# KiCad board VNA.kicad_pcb (continued)
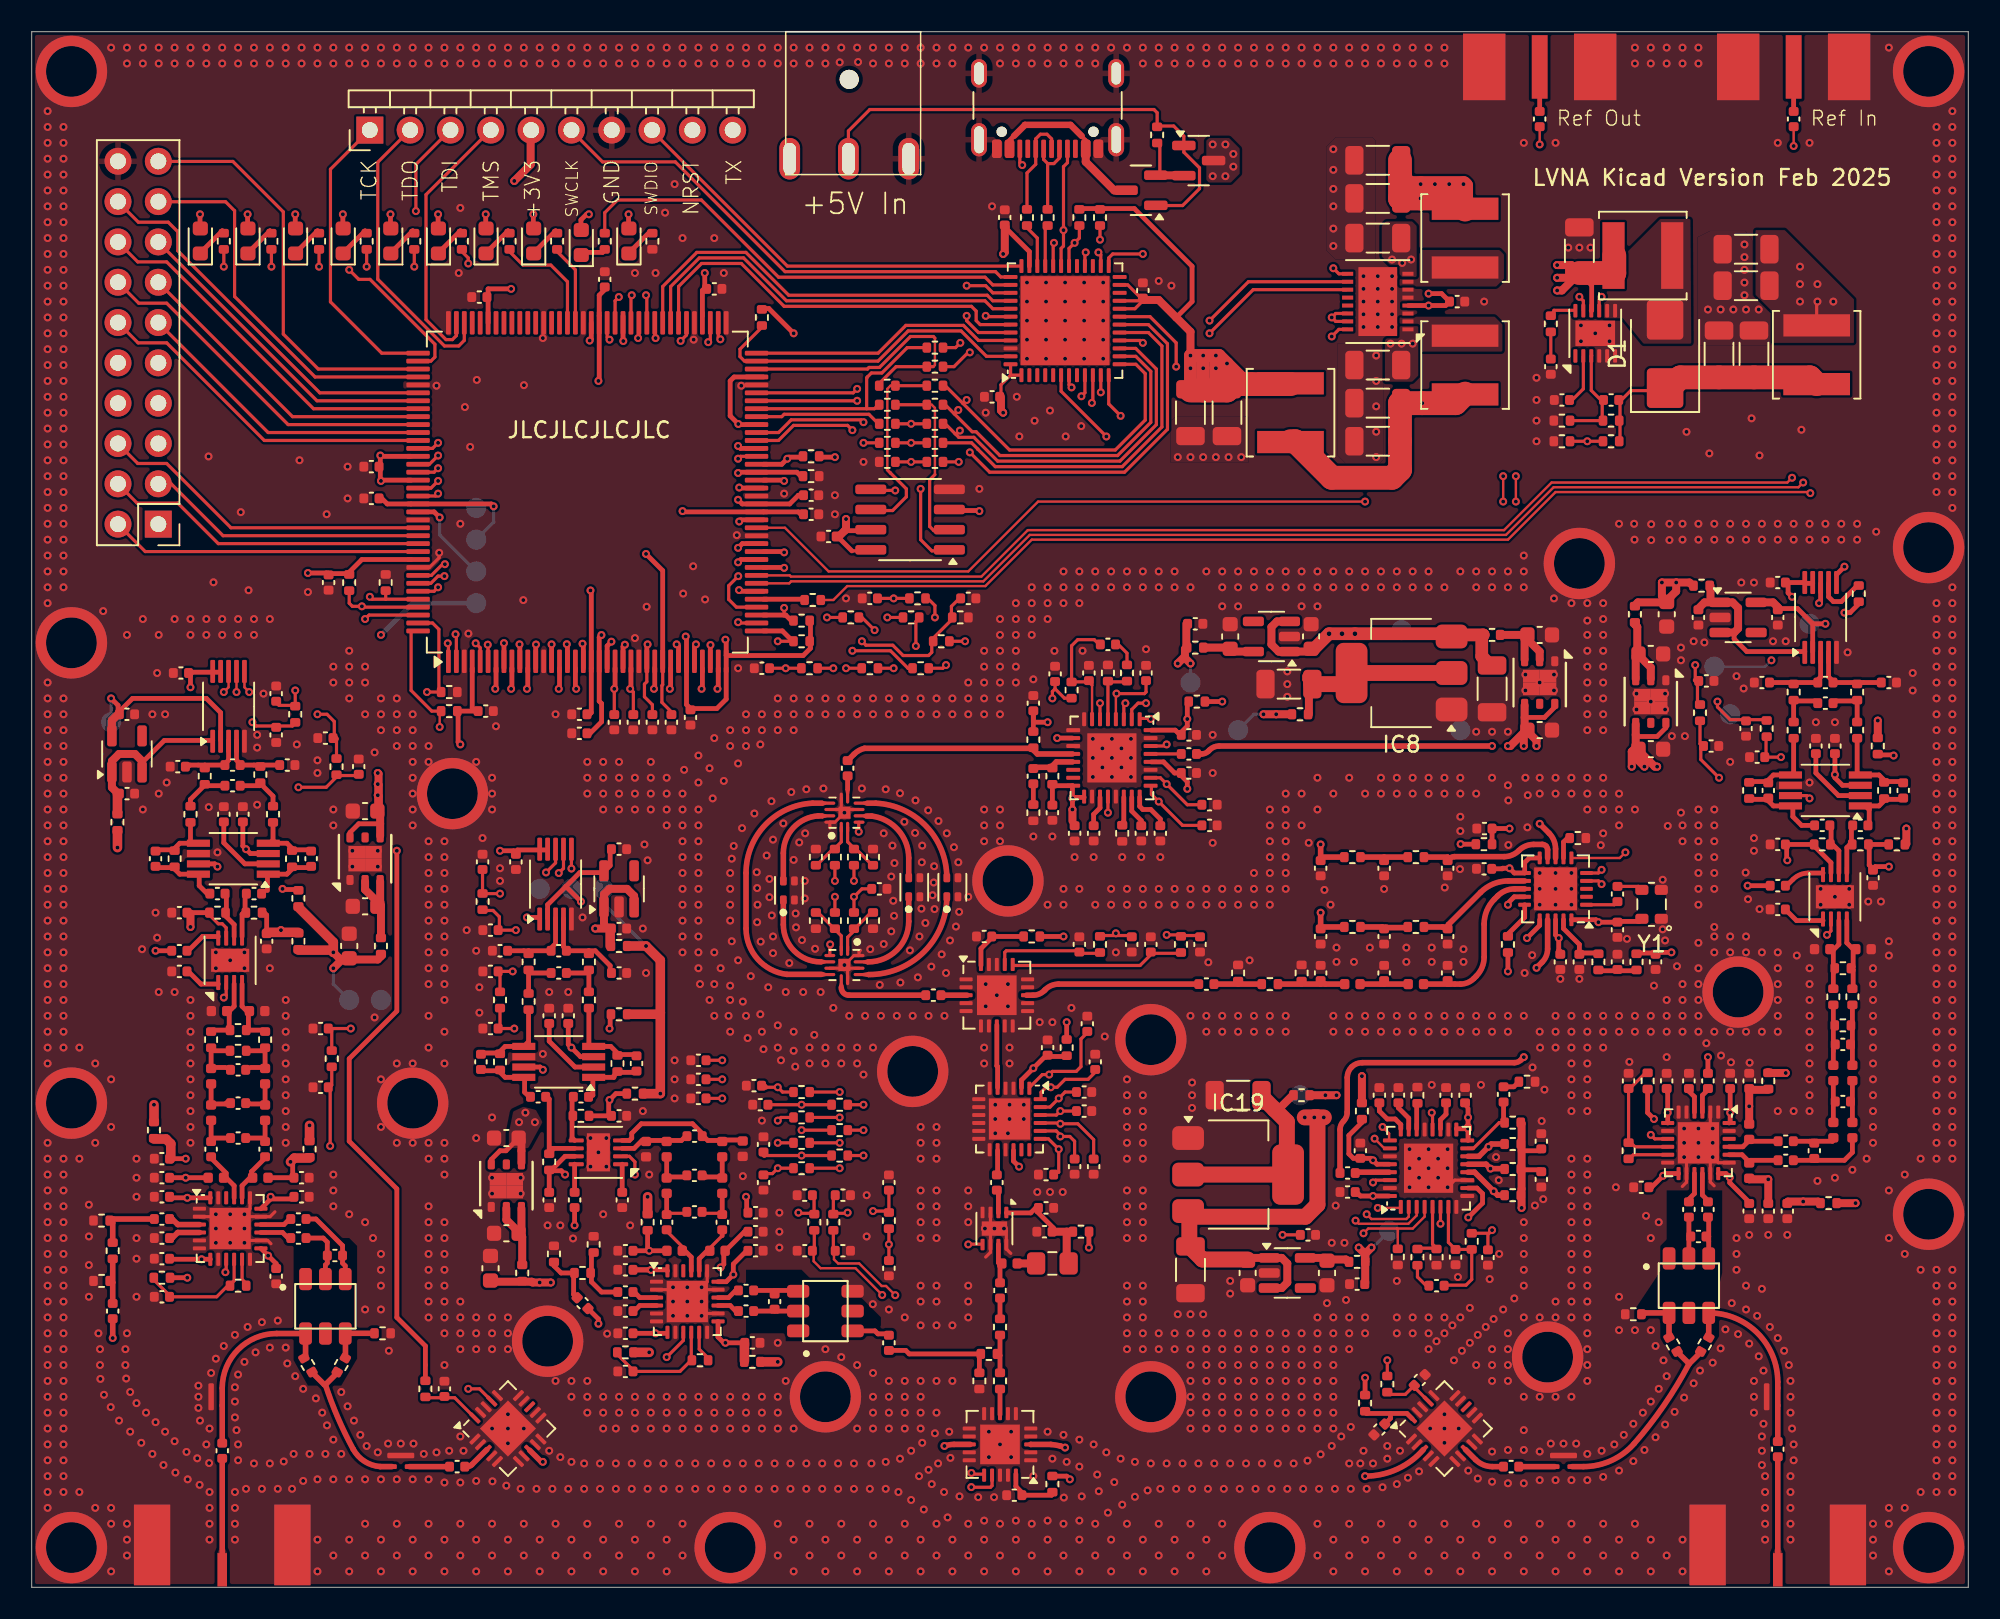
[diagram p0: board, top side]
## Routing (per net, layer and track width the routed paths; a pad name or vN(x,y) marks a point on that pad's centre or on a via; arc(x,y) is an arc through that point) (continued)
  In4.Cu w0.3: v1(72.8,54.7) v1(72.8,50.3)
GND: length 44.5
  Top w0.18: 50.6,48.2 v1(51.2,48.8) ; 51.8,39.8 v1(51.2,39.2)
  Top w0.2: v1(11.6,23.5) 11.45,23.35 IC24.2 ; IC24.19 13.75,23.85 v1(13.4,23.5) 13.55,23.35 IC24.17 15.02,23.35 15.32,23.65 ; IC33.19 42.55,19.25 v1(42.2,18.9) 42.35,18.75 IC33.17 ; v1(60.65,22.6) 60.4,22.85 IC15.3 ; IC21.11 89.65,25.65 v1(89.2,25.2) ; 51.4,39 v1(51.2,39.2) 51,39 IC12.5 ; 51.4,39 IC12.10 ; 51.4,39 IC12.8 ; 61.68,21.03 61.4,21.31 IC15.8 61.4,22.45 v1(61.25,22.6) ; v1(25.67,65.17) 25.67,64.86 25.06,64.25 U2.136 ; 103.99,25.25 104.25,25.51 IC29.14 104.25,26.95 v1(104.1,27.1) ; v1(42.2,17.1) 42.35,17.25 IC33.14 ; IC29.19 106.25,26.75 v1(105.9,27.1) 105.75,26.95 IC29.17 105.75,25.53 105.99,25.29 ; v1(60.05,22.6) 60.4,22.25 IC15.6 60.4,21.1 60.1,20.8 ; 51,49 v1(51.2,48.8) 51.4,49 IC11.5 ; 51,49 51,49.72 ; 51,49 IC11.10 ; 15.07,21.64 14.86,21.85 IC24.14 13.55,21.85 v1(13.4,21.7) ; v1(105.9,28.9) 105.75,29.05 IC29.2 ; v1(40.4,18.9) 40.25,18.75 IC33.2 ; 51.8,39.8 IC12.12 52.12,40.05 52.21,40.13 ; 50.6,48.2 IC11.12 50.28,47.85 50.29,47.84
  In3.Cu w0.2: v1(69,97) 68.32,96.32 J4.S1 ; J1.2 55.25,88.12 55.64,87.73 ; J4.S1 68.32,89.62 68.85,89.09 ; 59.13,89.18 59.68,89.73 J4.S1 ; v1(59,97) 59.68,96.32 J4.S1
  vias: v1(1,93) v1(1,92) v1(1,91) v1(1,90) v1(1,89) v1(1,88) v1(1,87) v1(1,86) v1(1,85) v1(1,84) v1(1,83) v1(1,82) v1(1,81) v1(1,80) v1(1,79) v1(1,78) v1(1,77) v1(1,76) v1(1,75) v1(1,74) v1(1,73) v1(1,72) v1(1,71) v1(1,70) v1(1,69) v1(1,68) v1(1,67) v1(1,66) v1(1,65) v1(1,64) v1(1,63) v1(1,62) v1(1,57) v1(1,56) v1(1,55) v1(1,54) v1(1,53) v1(1,52) v1(1,51) v1(1,50) v1(1,49) v1(1,48) v1(1,47) v1(1,46) v1(1,45) v1(1,44) v1(1,43) v1(1,42) v1(1,41) v1(1,40) v1(1,39) v1(1,38) v1(1,37) v1(1,36) v1(1,35) v1(1,34) v1(1,33) v1(1,28) v1(1,27) v1(1,26) v1(1,25) v1(1,24) v1(1,23) v1(1,22) v1(1,21) v1(1,20) v1(1,19) v1(1,18) v1(1,17) v1(1,16) v1(1,15) v1(1,14) v1(1,13) v1(1,12) v1(1,11) v1(1,10) v1(1,9) v1(1,8) v1(1,7) v1(1,6) v1(1,5) v1(2,92) v1(2,91) v1(2,90) v1(2,89) v1(2,88) v1(2,87) v1(2,86) v1(2,85) v1(2,84) v1(2,83) v1(2,82) v1(2,81) v1(2,80) v1(2,79) v1(2,78) v1(2,77) v1(2,76) v1(2,75) v1(2,74) v1(2,73) v1(2,72) v1(2,71) v1(2,70) v1(2,69) v1(2,68) v1(2,67) v1(2,66) v1(2,65) v1(2,64) v1(2,63) v1(2,56) v1(2,55) v1(2,54) v1(2,53) v1(2,52) v1(2,51) v1(2,50) v1(2,49) v1(2,48) v1(2,47) v1(2,46) v1(2,45) v1(2,44) v1(2,43) v1(2,42) v1(2,41) v1(2,40) v1(2,39) v1(2,38) v1(2,37) v1(2,36) v1(2,35) v1(2,34) v1(2,27) v1(2,26) v1(2,25) v1(2,24) v1(2,23) v1(2,22) v1(2,21) v1(2,20) v1(2,19) v1(2,18) v1(2,17) v1(2,16) v1(2,15) v1(2,14) v1(2,13) v1(2,12) v1(2,11) v1(2,10) v1(2,9) v1(2,8) v1(2,7) v1(2,6) v1(3,34) v1(3,27) v1(3,6) v1(3.6,24.1) v1(3.6,22.1) v1(3.6,20.3) v1(3.6,18.3) v1(4,33) v1(4,28) v1(4,5) v1(4.2,16) v1(4.3,15) v1(4.3,14) v1(4.33,13.12) v1(4.5,61.5) v1(4.55,12.12) v1(5,97) v1(5,32) v1(5,29) v1(4.97,11.35) v1(5,5) v1(5,4) v1(5,1) v1(5.5,10.5) v1(5.9,15) v1(5.9,14) v1(6,97) v1(6,96) v1(6,60) v1(6,16) v1(5.95,13.15) v1(6,4) v1(6,3) v1(6,2) v1(6.2,12.3) v1(6.2,9.8) v1(6.6,27) v1(6.6,25.8) v1(6.6,24.6) v1(6.6,22) v1(6.6,20.7) v1(6.6,18.3) v1(6.6,11.6) v1(6.9,9.1) v1(7,97) v1(7,96) v1(7,61) v1(7,49) v1(6.95,40.2) v1(7.2,11) v1(7.6,55) v1(7.6,8.4) v1(7.8,42.5) v1(7.8,10.4) v1(7.9,57.6) v1(7.9,40.92) v1(8,97) v1(8,96) v1(8,60) v1(8,50) v1(8,37.5) v1(8.3,7.7) v1(8.4,55) v1(8.4,9.8) v1(8.5,50.7) v1(9,97) v1(9,96) v1(9,61) v1(9,37.5) v1(9,9.2) v1(9.05,7.22) v1(9.75,8.52) v1(9.83,6.8) v1(10,97) v1(10,96) v1(10,61) v1(10,60) v1(10,37) v1(10,36) v1(10,35) v1(10,34) v1(10,33) v1(10,32) v1(10,31) v1(10,30) v1(10,29) v1(10,28) v1(10.42,8.12) v1(10.5,12.7) v1(10.5,12) v1(10.5,11.3) v1(10.6,10.5) v1(10.58,6.45) v1(11,97) v1(11,96) v1(11,61) v1(11,60) v1(11,9) v1(11.14,71.24) v1(11.15,49.15) v1(11.2,10) v1(11.17,7.82) v1(11.2,6) v1(11.2,5) v1(11.2,4) v1(11.2,3) v1(11.3,13.5) v1(11.45,63.31) v1(11.6,40) v1(11.6,39) v1(11.6,22.6) v1(11.6,21.7) v1(11.6,14.4) v1(11.7,46.3) v1(12,97) v1(12,96) v1(12,61) v1(12,60) v1(12.1,15.2) v1(12.5,39.5) v1(12.5,23.5) v1(12.5,22.6) v1(12.5,21.7) v1(12.8,15.9) v1(12.8,12.6) v1(12.8,11.7) v1(12.8,10.7) v1(12.8,6) v1(12.8,5) v1(12.8,4) v1(12.8,3) v1(12.9,9.9) v1(13,97) v1(13,96) v1(13,61) v1(13,60) v1(13,13.4) v1(13,9) v1(13,8) v1(13.17,67.73) v1(13.4,40) v1(13.4,39) v1(13.4,22.6) v1(13.4,14.2) v1(13.5,6.2) v1(13.6,16.4) v1(13.66,62.81) v1(14,97) v1(14,96) v1(14,61) v1(14,60) v1(14,7.8) v1(14.1,14.8) v1(14.2,53.7) v1(14.2,52.9) v1(14.2,49.3) v1(14.5,16.7) v1(14.5,6.2) v1(14.6,56.3) v1(15,97) v1(15,96) v1(15,61) v1(15,39) v1(15,15.1) v1(15,7.8) v1(15.5,16.8) v1(15.5,6.2) v1(15.88,7.92) v1(16,97) v1(16,96) v1(16,37) v1(16,36) v1(16,35) v1(16,34) v1(16,33) v1(16,32) v1(16,31) v1(16,30) v1(16,29) v1(16,28) v1(16,15.1) v1(16.1,14.1) v1(16.4,6.2) v1(16.5,8.4) v1(16.6,13.3) v1(16.7,53.1) v1(16.87,71) v1(17,97) v1(17,96) v1(17.1,12.5) v1(17.1,6.7) v1(17.4,62.7) v1(17.5,8.4) v1(17.9,11.9) v1(18,97) v1(18,96) v1(18,52.1) v1(18,51.3) v1(18,6.8) v1(18,3) v1(18,1) v1(18.3,11) v1(18.5,8.4) v1(18.58,67.6) v1(18.6,10.2) v1(19,97) v1(19,96) v1(19,58) v1(19,57) v1(19,49) v1(19,48) v1(19,26) v1(19,25) v1(19,24) v1(19,9.3) v1(19,6.8) v1(19,2) v1(19.5,12.3) v1(19.5,8.4) v1(19.9,70.6) v1(19.9,68.6) v1(19.9,11.4) v1(20,97) v1(20,96) v1(20,59) v1(20,58) v1(20,57) v1(20,56) v1(20,23.5) v1(20,6.8) v1(20,3) v1(20,1) v1(20.2,46.4) v1(20.2,45.4) v1(20.3,10.5) v1(20.7,9.6) v1(21,97) v1(21,96) v1(21,58) v1(21,57) v1(21,55) v1(21,23) v1(21,17.5) v1(21,6.8) v1(21,4) v1(21,2) v1(21.1,8.9) v1(21.5,22) v1(21.6,52.6) v1(21.6,35.9) v1(21.8,46.4) v1(21.8,45.4) v1(21.8,8.5) v1(22,97) v1(22,96) v1(22,56) v1(22,55) v1(22,54) v1(22,32) v1(22,29) v1(22,21) v1(22,20) v1(22,19) v1(22,17.5) v1(22,6.8) v1(22,3) v1(22,1) v1(22.5,14.9) v1(22.45,9.05) v1(23,97) v1(23,96) v1(23,56) v1(23,55) v1(23,54) v1(23,53) v1(23,33) v1(23,28) v1(23,6.8) v1(23,4) v1(23,2) v1(23.25,9.05) v1(24,97) v1(24,96) v1(24,55) v1(24,54) v1(24,53) v1(24,52) v1(24,51) v1(24,50) v1(24,49) v1(24,48) v1(24,33) v1(24,28) v1(24,6.8) v1(24,3) v1(24,1) v1(24.05,9.05) v1(24.7,8.4) v1(25,97) v1(25,96) v1(25,53) v1(25,52) v1(25,47) v1(25,46) v1(25,45) v1(25,44) v1(25,43) v1(25,42) v1(25,41) v1(25,40) v1(25,39) v1(25,38) v1(25,36) v1(25,34) v1(25,28) v1(25,27) v1(25,24) v1(25,23) v1(25,22) v1(25,21) v1(25,20) v1(25,19) v1(25,18) v1(25,17) v1(25,6.8) v1(25,4) v1(25,2) v1(25.5,75.7) v1(25.5,8.5) v1(26,97) v1(26,96) v1(26,47) v1(26,46) v1(26,45) v1(26,44) v1(26,43) v1(26,42) v1(26,41) v1(26,40) v1(26,39) v1(26,38) v1(26,37) v1(26,35) v1(26,33) v1(26,28) v1(26,27) v1(26,26) v1(26,23) v1(26,22) v1(26,21) v1(26,20) v1(26,19) v1(26,18) v1(26,17) v1(26,16) v1(26,14) v1(26,6.6) v1(26,3) v1(26,1) v1(26.3,8.6) v1(26.9,82.8) v1(27,97) v1(27,96) v1(27,86.9) v1(27,67) v1(27,18) v1(27,17) v1(27,16) v1(27,15) v1(27,9.5) v1(27,6.6) v1(27,4) v1(27,2) v1(27.2,8.6) v1(27.29,74.35) v1(27.4,41.4) v1(27.51,60.08) v1(27.62,71.84) v1(28,97) v1(28,96) v1(28.04,76.06) v1(28,52) v1(28,40.1) v1(28,28.3) v1(28,17) v1(28,16) v1(28,15) v1(28,6.7) v1(28,3) v1(28,1) v1(28.2,37.8) v1(28.2,36.2) v1(28.4,47.2) v1(29,97) v1(29,96) v1(29,51) v1(29,50) v1(29,49) v1(29,29.6) v1(29,25.8) v1(29,24.8) v1(29,17) v1(29,16) v1(29,15) v1(29,10) v1(29.03,6.67) v1(29,4) v1(29,2) v1(29.25,54.25) v1(29.5,45.3) v1(29.5,44.5) v1(29.9,6.4) v1(30,97) v1(30,96) v1(30,17) v1(30,16) v1(30,15) v1(30,10.9) v1(30,10) v1(30,9.07) v1(30,3) v1(30,1) v1(30.8,25.8) v1(30.8,24.8) v1(30.8,6.2) v1(31,97) v1(31,96) v1(31.01,75.73) v1(30.97,62.19) v1(31,10) v1(31,4) v1(31,2) v1(31.8,6.2) v1(32,97) v1(32,96) v1(32,3) v1(32,1) v1(32.2,78.7) v1(32.2,33.6) v1(32.5,22.8) v1(32.6,37.5) v1(32.6,8.6) v1(32.8,6.2) v1(33,97) v1(33,96) v1(33,55) v1(33,13) v1(33,4) v1(33,2) v1(33.3,22.8) v1(33.3,8.2) v1(33.8,37.5) v1(33.8,6.2) v1(34,97) v1(34,96) v1(34,13) v1(34,12) v1(34,7.9) v1(34,3) v1(34,1) v1(34.1,21.97) v1(34.7,42.2) v1(34.8,7.8) v1(34.8,6.2) v1(35,97) v1(35,96) v1(35,52) v1(35,51) v1(35,50) v1(35,13) v1(35,12) v1(35,11) v1(35,4) v1(35,2) v1(35.2,28.3) v1(35.2,26.5) v1(35.7,27.4) v1(35.8,7.8) v1(35.8,6.2) v1(36,97) v1(36,96) v1(36,52) v1(36,51) v1(36,50) v1(36,49) v1(36,23.5) v1(36,12) v1(36,11) v1(36,10) v1(36,3) v1(36,1) v1(36.2,28.3) v1(36.2,26.5) v1(36.25,15.97) v1(36.8,10) v1(36.8,7.8) v1(36.8,6.2) v1(37,97) v1(37,96) v1(37,52) v1(37,51) v1(37,50) v1(37,49) v1(37,12) v1(37,11) v1(37,4) v1(37,2) v1(37.7,22.8) v1(37.8,7.8) v1(37.8,6.2) v1(38,97) v1(38,96) v1(38,82.8) v1(38,59.8) v1(38,51) v1(38,50) v1(38,49) v1(38,12) v1(38,11) v1(38,10) v1(38,3) v1(38,1) v1(38.5,41.5) v1(38.5,30) v1(38.6,46.8) v1(38.74,61.77) v1(38.7,38.7) v1(38.8,45.8) v1(38.8,7.8) v1(38.8,6.2) v1(38.9,26) v1(39,97) v1(39,96) v1(39,52) v1(39,51) v1(39,50) v1(39,49) v1(39,12) v1(39,11) v1(39,10) v1(39,4) v1(39,2) v1(39.3,82.8) v1(39.8,7.8) v1(39.8,6.2) v1(39.9,86.6) v1(40,97) v1(40,96) v1(40,51) v1(40,50) v1(40,49) v1(40,48) v1(40,12) v1(40,11) v1(40,10) v1(40,3) v1(40,1) v1(40.4,18) v1(40.4,17.1) v1(40.5,88.4) v1(40.5,33.2) v1(40.5,32) v1(40.5,30.8) v1(40.8,7.8) v1(40.8,6.2) v1(41,97) v1(41,96) v1(41,85) v1(41.04,62.6) v1(41,50) v1(41,49) v1(41,48) v1(41,47) v1(41,46) v1(41,45) v1(41,44) v1(41,43) v1(41,42) v1(41,41) v1(41,40) v1(41,12) v1(41,11) v1(41,10) v1(41,4) v1(41,2) v1(41.1,51.5) v1(41.3,18.9) v1(41.3,18) v1(41.3,17.1) v1(41.7,78.6) v1(41.67,64.32) v1(41.8,7.8) v1(41.8,6.2) v1(42,97) v1(42,96) v1(42,52.4) v1(42,50.7) v1(42,49) v1(42,48) v1(42,47) v1(42,46) v1(42,45) v1(42,44) v1(42,43) v1(42,42) v1(42,41) v1(42,40) v1(42,39) v1(42,12) v1(42,11) v1(42,10) v1(42.1,38) v1(42.2,18) v1(42.42,62.23) v1(42.7,51.6) v1(42.7,37) v1(42.8,7.8) v1(42.8,6.2) v1(42.9,49.7) v1(43,97) v1(43,96) v1(43,85) v1(43,53.5) v1(43,40) v1(43,38) v1(43,36) v1(43,12) v1(43,11) v1(43,10) v1(43.4,39) v1(43.6,82.8) v1(43.6,50.8) v1(43.8,7.8) v1(43.8,6.2) v1(43.9,36) v1(44,97) v1(44,96) v1(44,54) v1(44,53) v1(44,45) v1(44,44) v1(44,43) v1(44,42) v1(44,37.9) v1(44,37) v1(44,35) v1(44,12) v1(44,11) v1(44,10) v1(44.1,45.9) v1(44.1,40.7) v1(44.23,46.7) v1(44.42,66.28) v1(44.5,57.9) v1(44.5,51.9) v1(44.5,39.5) v1(44.7,75.7) v1(44.75,47.82) v1(44.8,36.9) v1(44.8,25.9) v1(44.8,7.8) v1(44.8,6.2) v1(45,97) v1(45,96) v1(45,55) v1(45,54) v1(45,53) v1(45,36) v1(45,12) v1(45,11) v1(45,10) v1(45.1,34.6) v1(45.3,38.5) v1(45.52,48.75) v1(45.67,45.05) v1(45.7,44.05) v1(45.73,43) v1(45.7,41.9) v1(45.8,7.8) v1(45.8,6.2) v1(45.9,53.1) v1(45.92,40.67) v1(45.9,36.1) v1(46,97) v1(46,96) v1(46,55) v1(46,54) v1(46,35) v1(46,29.4) v1(46,12) v1(46,11) v1(46,10) v1(46.1,33.9) v1(46.3,46.1) v1(46.4,37.8) v1(46.48,44.62) v1(46.48,43.47) v1(46.6,49.52) v1(46.63,42.32) v1(46.7,47.1) v1(46.7,41) v1(46.7,39.95) v1(46.8,7.8) v1(46.8,6.2) v1(47,97) v1(47,96) v1(47,56) v1(47,55) v1(47,54) v1(47,35.4) v1(47,34) v1(47,15.4) v1(47,12) v1(47,11) v1(47,10) v1(47,4) v1(47,2) v1(47.1,23.6) v1(47.1,22.4) v1(47.1,21.4) v1(47.2,33.2) v1(47.4,68.9) v1(47.35,48.12) v1(47.5,37.5) v1(47.5,13) v1(47.73,39.32) v1(47.8,7.8) v1(47.8,6.2) v1(47.85,50.1) v1(48,97) v1(48,96) v1(48,56) v1(48,55) v1(48,54) v1(48,45.82) v1(48,35) v1(48,33.8) v1(48,10) v1(48,3) v1(48,1) v1(48.13,42.45) v1(48.1,32.8) v1(48.15,41.57) v1(48.35,46.92) v1(48.52,40.77) v1(48.6,37.5) v1(48.73,47.5) v1(48.7,44.5) v1(48.7,43.4) v1(48.8,50.27) v1(48.8,7.8) v1(48.8,6.2) v1(49,97) v1(49,96) v1(49,56) v1(49,55) v1(49,34) v1(49,33) v1(49,4) v1(49,2) v1(49.3,34.8) v1(49.35,40.22) v1(49.7,37.5) v1(49.8,7.8) v1(49.8,6.2) v1(49.88,50.32) v1(50,97) v1(50,96) v1(50,56) v1(50,55) v1(50,34) v1(50,33) v1(50,15) v1(50,3) v1(50,1) v1(50.5,36.5) v1(50.6,68.8) v1(50.6,67.6) v1(50.8,7.8) v1(50.8,6.2) v1(50.9,96.07) v1(51,97) v1(51,56) v1(51,55) v1(51,34) v1(51,33) v1(51,14.5) v1(51,4) v1(51,2) v1(51.3,62.3) v1(51.5,36) v1(51.8,7.8) v1(51.8,6.2) v1(52,97) v1(52,56) v1(52,55) v1(52,34) v1(52,33) v1(52,14) v1(52,10) v1(52,3) v1(52,1) v1(52.06,96.09) v1(52.3,50.32) v1(52.4,70.9) v1(52.4,32.3) v1(52.5,36) v1(52.6,24.7) v1(52.6,22.1) v1(52.83,40.2) v1(52.8,6.2) v1(52.9,7.8) v1(53,97) v1(53,96) v1(53,56) v1(53,55) v1(53,34) v1(52.99,17.83) v1(53,13.5) v1(53,12) v1(53,11) v1(53,10) v1(53,4) v1(53,2) v1(53.42,37.95) v1(53.5,36) v1(53.67,47.5) v1(53.67,40.52) v1(53.8,50.27) v1(53.8,7.9) v1(53.8,6.2) v1(54,97) v1(54,96) v1(54,56) v1(54,55) v1(54,17.5) v1(54,13) v1(54,12) v1(54,11) v1(54,10) v1(54,3) v1(54,1) v1(54.23,46.72) v1(54.15,44.77) v1(54.15,41.32) v1(54.27,43.25) v1(54.33,42.3) v1(54.35,45.62) v1(54.5,36) v1(54.6,6) v1(54.7,50.02) v1(54.73,38.1) v1(54.7,8.1) v1(55,97) v1(55,96) v1(55,56) v1(55,55) v1(54.98,48.22) v1(55,17) v1(55,13) v1(55,12) v1(55,11) v1(55,10) v1(55,4) v1(55,2) v1(55.33,40.12) v1(55.4,8.6) v1(55.4,5.5) v1(55.5,36) v1(55.67,49.57) v1(55.65,47.52) v1(55.83,38.42) v1(55.92,41) v1(55.9,7) v1(56,97) v1(56,96) v1(56,56) v1(56,55) v1(56,29) v1(56,28) v1(56,27) v1(56,25) v1(56,24) v1(56,23) v1(56,22) v1(56,19) v1(56,18) v1(56,16.5) v1(56,13) v1(56,12) v1(56,11) v1(56,10) v1(56,3) v1(56,1) v1(56.1,46.72) v1(56.08,45.67) v1(56.05,42.75) v1(56.1,9.1) v1(56.2,4.9) v1(56.3,41.85) v1(56.48,48.95) v1(56.5,36) v1(56.5,7.4) v1(56.67,39.1) v1(56.7,6.5) v1(56.83,44.4) v1(56.75,43.6) v1(56.85,45.42) v1(56.88,42.72) v1(56.9,9.7) v1(57,97) v1(57,96) v1(57,56) v1(57,55) v1(57,29) v1(57,28) v1(57,27) v1(57,25) v1(57,24) v1(57,23) v1(57,22) v1(57,19) v1(57,18) v1(57,16.5) v1(57,13) v1(57,11) v1(57,4) v1(57,2) v1(57.13,48.27) v1(57.1,7.8) v1(57.33,39.87) v1(57.5,36) v1(57.48,6) v1(57.6,38.7) v1(57.65,47.5) v1(57.7,4.4) v1(57.8,9.8) v1(57.85,40.75) v1(57.88,8.15) v1(58,97) v1(58,96) v1(58,56) v1(58,55) v1(58,16.5) v1(58,13) v1(58,3) v1(58,1) v1(58.1,46.62) v1(58.23,41.62) v1(58.38,45.67) v1(58.42,42.55) v1(58.45,5.72) v1(59,57) v1(59,56) v1(59,55) v1(59,43.5) v1(59,25) v1(59,24) v1(59,23) v1(59,19) v1(59,18) v1(59,17) v1(59,4) v1(59,2) v1(59.63,5.67) v1(59.7,69.2) v1(60,97) v1(60,59) v1(60,58) v1(60,57) v1(60,56) v1(60,55) v1(60,49) v1(60,48) v1(60,47) v1(60,34) v1(60,33) v1(60,4.2) v1(60,3) v1(60,1) v1(60.1,74) v1(60.1,38) v1(60.1,36.6) v1(60.3,9.8) v1(60.3,8.2) v1(60.5,87) v1(60.63,5.67) v1(60.7,30.4) v1(60.7,29.5) v1(60.7,28.6) v1(60.8,37.3) v1(61,97) v1(61,96) v1(61,61) v1(61,60) v1(61,59) v1(61,58) v1(61,57) v1(61,56) v1(61,55) v1(61,49) v1(61,48) v1(61,47) v1(61,9) v1(61,4) v1(61,2) v1(61.5,38) v1(61.5,36.6) v1(61.5,28.6) v1(61.6,34) v1(61.6,33) v1(61.6,30.4) v1(61.6,29.5) v1(61.7,9.8) v1(61.7,8.2) v1(62,97) v1(62,96) v1(62,62) v1(62,61) v1(62,60) v1(62,59) v1(62,58) v1(62,57) v1(62,4.2) v1(62,3) v1(62,1) v1(62.06,75) v1(62.22,72.5) v1(62.5,30.4) v1(62.5,29.5) v1(62.7,82.2) v1(62.7,81) v1(62.7,79.8) v1(62.7,78.6) v1(62.7,77.4) v1(63,97) v1(63,96) v1(63,63) v1(63,62) v1(63,61) v1(63,60) v1(63,4) v1(63,2) v1(63.1,57.2) v1(63.1,47.3) v1(63.1,7) v1(63.18,73.49) v1(63.35,24.9) v1(63.5,35.6) v1(63.9,82.2) v1(63.9,81) v1(63.9,79.8) v1(63.9,78.6) v1(63.9,77.4) v1(64,97) v1(64,96) v1(64,63) v1(64,62) v1(64,61) v1(64,43) v1(64,9.8) v1(64,4.2) v1(64,3) v1(64,1) v1(64.15,74.13) v1(64.15,24.9) v1(64.3,47.3) v1(64.3,35.6) v1(64.3,8.1) v1(64.43,58.99) v1(65,97) v1(65,96) v1(65,64) v1(65,63) v1(65,62) v1(65,44) v1(65,43) v1(64.95,24.9) v1(65,9.6) v1(65.02,5.65) v1(65,4) v1(65,2) v1(65.1,82.2) v1(65.1,81) v1(65.1,79.8) v1(65.1,78.6) v1(65.1,77.4) v1(65.14,72.5) v1(65.2,7.9) v1(65.5,36.5) v1(65.7,46) v1(66,97) v1(66,96) v1(66,64) v1(66,63) v1(66,62) v1(66,44) v1(66,9.3) v1(66,7.6) v1(66,4.2) v1(66,3) v1(66,1) v1(66.12,73.15) v1(66.2,59) v1(66.15,5.72) v1(66.3,82.2) v1(66.3,81) v1(66.3,79.8) v1(66.3,78.6) v1(66.3,77.4) v1(66.85,53.45) v1(66.85,52.25) v1(66.85,51.05) v1(66.9,46) v1(66.9,9) v1(67,97) v1(67,96) v1(67,64) v1(67,63) v1(67,43) v1(67,4) v1(67,2) v1(67.13,7.1) v1(67.23,6.05) v1(67.5,82.2) v1(67.5,81) v1(67.5,79.8) v1(67.5,78.6) v1(67.5,77.4) v1(67.45,52.85) v1(67.45,51.65) v1(67.6,34.7) v1(67.7,8.5) v1(67.8,4.7) v1(68,97) v1(68,64) v1(68,63) v1(68,44) v1(68,43) v1(68,3) v1(68,1) v1(68.05,53.45) v1(68.05,52.25) v1(68.05,51.05) v1(68.2,6.62) v1(68.3,40) v1(68.6,8.1) v1(68.65,52.85) v1(68.65,51.65) v1(68.7,46) v1(68.7,5.2) v1(69,64) v1(69,63) v1(69,44) v1(69,43) v1(69,32) v1(69,31) v1(69,30) v1(69,29) v1(69,28) v1(69,27) v1(69,25) v1(69,24) v1(69,23) v1(69,22) v1(69,19) v1(69,18) v1(69,17) v1(69,16) v1(69,15) v1(69,4) v1(69,2) v1(69.25,53.45) v1(69.25,52.25) v1(69.25,51.05) v1(69.5,7.9) v1(69.5,5.7) v1(69.9,46) v1(70,97) v1(70,96) v1(70,64) v1(70,63) v1(70,44) v1(70,43) v1(70,31) v1(70,30) v1(70,29) v1(70,28) v1(70,27) v1(70,25) v1(70,24) v1(70,23) v1(70,22) v1(70,19) v1(70,18) v1(70,17) v1(70,16) v1(70,15) v1(70,3) v1(70,1) v1(70.2,59.1) v1(70.3,6.1) v1(70.5,7.8) v1(71,97) v1(71,96) v1(71,82.3) v1(71,64) v1(71,63) v1(71,44) v1(71,43) v1(71,16) v1(71,15) v1(71,4) v1(71,2) v1(71.1,46) v1(71.1,6.2) v1(71.5,7.8) v1(71.8,82) v1(72,97) v1(72,96) v1(72,64) v1(72,63) v1(72,44) v1(72,43) v1(72,16) v1(72,15) v1(72,3) v1(72,1) v1(72.1,6.2) v1(72.2,71.2) v1(72.2,17.2) v1(72.5,7.8) v1(73,97) v1(73,96) v1(73,71.2) v1(73,63) v1(73,44) v1(73,43) v1(73,36) v1(73,17.2) v1(73,16) v1(73,15) v1(73,14) v1(73,13) v1(73,12) v1(73,11) v1(73,10) v1(73,4) v1(73,2) v1(73.1,31.8) v1(73.1,31) v1(73.1,30.2) v1(73.1,6.2) v1(73.5,7.8) v1(73.8,71.2) v1(73.8,17.2) v1(74,97) v1(74,96) v1(74,64) v1(74,44) v1(74,43) v1(74,36) v1(74,35) v1(74,16) v1(74,15) v1(74,14) v1(74,13) v1(74,12) v1(74,11) v1(74,10) v1(74,3) v1(74,1) v1(74.13,39.37) v1(74.1,6.2) v1(74.4,53.7) v1(74.4,51.3) v1(74.4,46.9) v1(74.5,7.8) v1(74.6,71.2) v1(75,97) v1(75,96) v1(75,64) v1(75,63) v1(75,61.8) v1(75,44) v1(75,43) v1(75,36) v1(75,35) v1(75,16) v1(75,15) v1(75,14) v1(75,13) v1(75,12) v1(75,11) v1(75,10) v1(75,4) v1(75,2) v1(75.1,6.2) v1(75.4,71.2) v1(75.5,19.3) v1(75.5,18.5) v1(75.5,7.8) v1(76,97) v1(76,96) v1(76,64) v1(76,63) v1(76,61.8) v1(76,44) v1(76,43) v1(76,36) v1(76,35) v1(76,16) v1(76,15) v1(76,14) v1(76,13) v1(76,12) v1(76,11) v1(76,10) v1(76.1,6.2) v1(76.2,71.2) v1(76.5,7.8) v1(76.73,39.5) v1(77,97) v1(77,96) v1(77,64) v1(77,63) v1(77,45) v1(77,44) v1(77,43) v1(77,36) v1(77,35) v1(77,16) v1(77,15) v1(77,14) v1(77,13) v1(77,12) v1(77,11) v1(77,10) v1(77.1,6.2) v1(77.5,7.8) v1(78,97) v1(78,96) v1(78,64) v1(78,63) v1(78,49) v1(78,48) v1(78,47) v1(78,46) v1(78,45) v1(78,44) v1(78,43) v1(78,36) v1(78,35) v1(78,16) v1(78,15) v1(78,14) v1(78,13) v1(78,12) v1(78,11) v1(78,10) v1(78.1,6.2) v1(78.5,7.8) v1(79,97) v1(79,96) v1(79,64) v1(79,63) v1(79,50) v1(79,49) v1(79,48) v1(79,47) v1(79,46) v1(79,45) v1(79,44) v1(79,36) v1(79,35) v1(79,16) v1(79,15) v1(79,14) v1(79,13) v1(79,12) v1(79,11) v1(79,10) v1(79.1,57.7) v1(79.1,56.9) v1(79.1,56.1) v1(79.1,6.2) v1(79.5,7.8) v1(80,97) v1(80,96) v1(80,64) v1(80,63) v1(80,61.8) v1(80,50) v1(80,48) v1(80,16) v1(80,15) v1(80,14) v1(80,13) v1(80,12) v1(80,11) v1(80,10) v1(80.1,6.2) v1(80.38,7.97) v1(80.45,46.9) v1(81,97) v1(81,96) v1(81,64) v1(81,63) v1(81,61.8) v1(81,51) v1(81,49) v1(81,17) v1(81,16) v1(81,15) v1(81,14) v1(81,13) v1(81,12) v1(81,11) v1(81,10) v1(81,4) v1(81,2) v1(81.1,6.2) v1(81.2,8.38) v1(81.44,43.93) v1(81.6,17.9) v1(81.83,43) v1(81.9,21.7) v1(81.9,8.9) v1(82,97) v1(82,96) v1(82,90.6) v1(82,89.3) v1(82,88.1) v1(82,87) v1(82,85.6) v1(82,84.5) v1(82,64) v1(82,63) v1(82,50) v1(82,36) v1(82,35) v1(82,17) v1(82,16) v1(82,15) v1(82,14) v1(82,13) v1(82,12) v1(82,11) v1(82,10) v1(82,3) v1(82,1) v1(82.1,6.2) v1(82.2,40.3) v1(82.2,39.4) v1(82.15,24.04) v1(82.5,9.5) v1(82.7,21.7) v1(82.8,18.1) v1(83,97) v1(83,96) v1(83,64) v1(83,63) v1(83,51) v1(83,36) v1(83,35) v1(83,17) v1(83,16) v1(83,15) v1(83,7.8) v1(83,4) v1(83,2) v1(83.1,10.1) v1(83.1,6.2) v1(83.3,39.4) v1(83.7,7.8) v1(83.9,82.6) v1(83.9,81.8) v1(83.9,81) v1(83.9,80.2) v1(83.9,79.4) v1(83.9,8.6) v1(84,97) v1(84,96) v1(84,64) v1(84,63) v1(84,50) v1(84,36) v1(84,35) v1(84,17) v1(84,16) v1(84,3) v1(84,1) v1(84.1,6.2) v1(84.3,40.3) v1(84.5,7.8) v1(84.7,77.6) v1(84.7,76) v1(84.7,74.4) v1(84.7,72.8) v1(84.7,71.2) v1(84.8,82.6) v1(84.8,81.8) v1(84.8,81) v1(84.8,80.2) v1(84.8,79.4) v1(85,97) v1(85,96) v1(85,64) v1(85,63) v1(85,51) v1(85,50) v1(85,36) v1(85,35) v1(85,4) v1(85,2) v1(85.1,6.3) v1(85.2,43.99) v1(85.4,8.9) v1(85.4,8.1) v1(85.7,82.6) v1(85.7,81.8) v1(85.7,81) v1(85.7,80.2) v1(85.7,79.4) v1(86,97) v1(86,96) v1(86,64) v1(86,63) v1(86,51) v1(86,50) v1(86,36) v1(86,35) v1(86,19.3) v1(86,17) v1(86,16) v1(86,6.5) v1(86,3) v1(86,1) v1(86.2,8.6) v1(86.6,40.3) v1(86.6,39.4) v1(86.7,6.9) v1(86.8,27.6) v1(86.8,26.4) v1(86.8,25.2) v1(87,97) v1(87,96) v1(87,64) v1(87,63) v1(87,51) v1(87,50) v1(87,36) v1(87,35) v1(87,17) v1(87,16) v1(87,4) v1(87,2) v1(87.4,27) v1(87.4,25.8) v1(87.4,7.3) v1(88,97) v1(88,96) v1(88,64) v1(88,63) v1(88,51) v1(88,50) v1(88,36) v1(88,35) v1(88,27.6) v1(88,26.4) v1(88,25.2) v1(88,17) v1(88,16) v1(88,15) v1(88,3) v1(88,1) v1(88.1,10) v1(88.2,40.3) v1(88.2,39.4) v1(88.2,31.65) v1(88.5,15.5) v1(88.6,27) v1(88.6,25.8) v1(89,97) v1(89,96) v1(89,63) v1(89,51) v1(89,50) v1(89.02,44.08) v1(89,36) v1(89,35) v1(89,17) v1(89,16) v1(89,10.9) v1(89,10) v1(89,9.1) v1(89,4) v1(89,2) v1(89.2,27.6) v1(89.2,26.4) v1(89.5,16.5) v1(89.6,14.3) v1(89.85,19.54) v1(89.9,10) v1(90,64) v1(90,51) v1(90,50) v1(90,48.54) v1(90,47.64) v1(89.98,45.24) v1(90,36) v1(90,35) v1(90,17) v1(90,3) v1(90,1) v1(90.1,14.9) v1(90.2,40.2) v1(90.2,39.4) v1(90.5,7.35) v1(90.6,17.6) v1(90.6,15.4) v1(91,64) v1(91,63) v1(91,53.9) v1(91,50) v1(91,36) v1(91,35) v1(91,14) v1(91,4) v1(91,2) v1(91.1,15.9) v1(91.1,6.85) v1(91.3,31.65) v1(91.5,81) v1(91.6,16.4) v1(91.85,19.41) v1(92,64) v1(92,63) v1(92,53.9) v1(92,51) v1(92,36) v1(92,35) v1(92,15) v1(92,14) v1(92,13) v1(92,8.55) v1(92,6.65) v1(92,3) v1(92,1) v1(92.1,16.9) v1(92.25,27.1) v1(92.42,25.65) v1(92.45,21) v1(92.7,17.5) v1(93,64) v1(93,63) v1(93,53.9) v1(93,50.52) v1(93.02,49.57) v1(93.03,46.76) v1(93,36) v1(93,35) v1(93,16) v1(93,15) v1(93,14) v1(93,13) v1(93,8.65) v1(93,6.55) v1(93,4) v1(93,2) v1(93.4,18.2) v1(94,91) v1(94,65) v1(94,64) v1(94,63) v1(94,36) v1(94,23) v1(94,22) v1(94,21) v1(94,20) v1(94,19) v1(94,17) v1(94,12) v1(94,9.9) v1(94,8.65) v1(94,6.55) v1(94,3) v1(94,1) v1(94.1,57.5) v1(94.1,56.5) v1(94.1,51) v1(94.05,38.7) v1(94.23,47.87) v1(94.25,49.9) v1(94.52,39.82) v1(94.55,32.75) v1(94.7,24.05) v1(94.8,76.2) v1(94.8,74.8) v1(94.8,73.5) v1(94.8,72.2) v1(95,57) v1(95,51) v1(95,50) v1(95,45) v1(95,44) v1(95,43) v1(95,35) v1(95.02,34) v1(95,17) v1(95,12) v1(95,8.55) v1(95,6.75) v1(95,4) v1(95,2) v1(95.13,29.37) v1(95.23,24.45) v1(95.3,31.35) v1(95.7,9.05) v1(95.9,62.3) v1(95.9,57.5) v1(95.9,56.5) v1(96,91) v1(96,51) v1(96,50) v1(96,45) v1(96,44) v1(96,43) v1(96,36) v1(96,35) v1(96,34) v1(96,18) v1(96,17) v1(96,12) v1(96,6.75) v1(96,3) v1(96,1) v1(96.3,38.32) v1(96.5,9.05) v1(96.8,84.4) v1(97,62) v1(97,51) v1(97,50) v1(97,45) v1(97,44) v1(97,43) v1(97,36) v1(97,35) v1(97,34) v1(97,33) v1(97,32) v1(97,31) v1(97,30) v1(97,27) v1(97,26) v1(97,25) v1(97,24) v1(97,23) v1(97,22) v1(97,21) v1(97,20) v1(97,19) v1(97,18) v1(97,17) v1(97,12) v1(97,6.75) v1(97,4) v1(97,2) v1(97.3,9.05) v1(97.5,84.4) v1(97.5,38.32) v1(97.6,79.5) v1(97.6,78.5) v1(98,62) v1(98,60.9) v1(98,60) v1(98,59) v1(98,58) v1(98,57) v1(98,56) v1(98,55) v1(98,54) v1(98,51) v1(98,50) v1(98,49) v1(98,36) v1(98,35) v1(98,34) v1(98,33) v1(98,32) v1(98,31) v1(98,30) v1(98,27) v1(98,26) v1(98,25) v1(98,24) v1(98,23) v1(98,22) v1(98,21) v1(98,20) v1(98,19) v1(98,18) v1(98,17) v1(98,16) v1(98,15) v1(98,14) v1(98,13) v1(98,8.4) v1(98,6.75) v1(98,3) v1(98,1) v1(98.2,84.4) v1(98.5,79) v1(98.85,46.75) v1(98.9,8.6) v1(99,62) v1(99,61) v1(99,60) v1(99,59) v1(99,58) v1(99,57) v1(99,56) v1(99,55) v1(99,54) v1(99,51) v1(99,50) v1(99,49) v1(99,47.5) v1(99,36) v1(99,35) v1(99,34) v1(99,6.95) v1(99,4) v1(99,2) v1(99.4,79.5) v1(99.4,78.5) v1(99.7,9) v1(99.8,25.2) v1(100,67) v1(100,50) v1(100,49) v1(100,48) v1(100,36) v1(100,35) v1(100,18.3) v1(100,16.2) v1(100,7.35) v1(100,3) v1(100,1) v1(100.3,9.6) v1(100.5,40.85) v1(100.65,33.1) v1(100.9,10.3) v1(100.9,7.95) v1(101,97) v1(101,96) v1(100.95,67) v1(100.98,66) v1(101,49) v1(101,36) v1(101,35) v1(101,16.2) v1(101,4) v1(101,2) v1(101.1,56.3) v1(101.1,55.3) v1(101.5,11) v1(101.6,8.65) v1(101.7,23.4) v1(102,97) v1(102,96) v1(102.02,66.97) v1(102.02,65.97) v1(102,55.8) v1(102,36) v1(102,35) v1(102,22) v1(102,16.2) v1(102,11.7) v1(102,3) v1(102,1) v1(102.2,37.9) v1(102.3,15.2) v1(102.3,9.45) v1(102.5,23) v1(102.5,12.5) v1(102.75,44.57) v1(102.75,41.45) v1(102.8,14.3) v1(102.9,56.3) v1(102.9,55.3) v1(102.9,40.75) v1(102.9,10.25) v1(103,97) v1(103,96) v1(103,37) v1(103,36) v1(103,35) v1(103,33.4) v1(103,13.3) v1(103,2) v1(103.07,47.96) v1(103.17,67) v1(103.17,65.97) v1(103.33,53.62) v1(103.5,11.05) v1(103.65,39.12) v1(103.9,59.2) v1(103.9,58.4) v1(103.9,48.8) v1(104,97) v1(104,96) v1(104,67) v1(104,66) v1(104,48) v1(104,47) v1(104,38) v1(104,37) v1(104,36) v1(104,35) v1(104,3) v1(104,1) v1(104.1,28.9) v1(104.1,28) v1(104.1,11.95) v1(104.15,53.62) v1(104.25,72.79) v1(104.7,59.6) v1(104.7,12.85) v1(105,97) v1(105,96) v1(105,67) v1(105,66) v1(105,49) v1(105,48) v1(105,47) v1(105,46) v1(105,45) v1(105,44) v1(105,43) v1(105,40.6) v1(105,39) v1(105,38) v1(105,37) v1(105,36) v1(105,35) v1(105,28.9) v1(105,28) v1(105,27.1) v1(105.1,13.65) v1(105.38,59.52) v1(105.5,34.27) v1(105.6,80.5) v1(105.69,71.43) v1(105.9,28) v1(105.9,14.15) v1(106,67) v1(106,66) v1(106,49) v1(106,48) v1(106,47) v1(106,46) v1(106,45) v1(106,44) v1(106,41.6) v1(106,41) v1(106,40) v1(106,35) v1(106.4,80.5) v1(106.42,33.5) v1(106.4,15.05) v1(106.7,16.25) v1(107,67) v1(107,66) v1(107,52) v1(107,41) v1(107,40) v1(107,35) v1(107.05,33.07) v1(107.1,17.9) v1(107.2,80.5) v1(107.4,57.4) v1(107.4,22) v1(107.4,21) v1(107.4,20) v1(107.5,15.95) v1(107.7,63.3) v1(107.9,84.6) v1(107.9,83.8) v1(107.9,83) v1(107.9,82.2) v1(107.9,81.4) v1(107.85,56.62) v1(108,80.5) v1(108,67) v1(108,66) v1(107.98,45.02) v1(108,41) v1(108,40) v1(108,35) v1(108,19) v1(108,17.5) v1(108.13,43.35) v1(108.23,33.05) v1(108.2,22.2) v1(108.2,15.35) v1(108.35,73.64) v1(108.5,63.3) v1(108.5,47.2) v1(108.5,46.4) v1(108.5,13) v1(108.5,12) v1(108.5,11) v1(108.7,17.1) v1(108.8,80.5) v1(108.85,71.3) v1(108.8,14.55) v1(108.85,42.72) v1(109,67) v1(109,66) v1(109,40) v1(109,35) v1(109,18.8) v1(109,9.5) v1(109,8.6) v1(109,7.7) v1(109.1,13.65) v1(109.1,10.3) v1(109.2,7) v1(109.2,6) v1(109.2,5) v1(109.2,4) v1(109.2,3) v1(109.4,22.2) v1(109.5,16.4) v1(109.7,59.6) v1(110,91) v1(110,67) v1(110,66) v1(110,40) v1(110,39) v1(110,38) v1(110,37) v1(110,36) v1(110,35) v1(110,30) v1(110,15.7) v1(110.4,14.9) v1(110.5,59.6) v1(110.6,22.2) v1(110.7,14) v1(110.8,13) v1(110.8,12) v1(110.8,11) v1(110.8,7) v1(110.8,6) v1(110.8,5) v1(110.8,4) v1(110.8,3) v1(110.9,10) v1(111,67) v1(111,66) v1(111,30) v1(111,9) v1(111,8) v1(111.2,39.8) v1(111.49,72.92) v1(112,91) v1(112,67) v1(112,66) v1(112,50.7) v1(112,39) v1(112,38) v1(112,37) v1(112,36) v1(112,35) v1(112,34) v1(112,33) v1(112,32) v1(112,31) v1(112,30) v1(112.4,54.5) v1(112.5,25.6) v1(112.7,44) v1(112.7,43) v1(113,67) v1(113,66) v1(113.6,54.5) v1(113.6,43.5) v1(113.6,25.8) v1(114,67) v1(114,66) v1(114.4,58.9) v1(114.5,44) v1(114.5,43) v1(114.7,26.3) v1(115,67) v1(115,66) v1(115.6,27) v1(115.7,43.2) v1(116,39) v1(116,38) v1(116,37) v1(116,36) v1(116,35) v1(116,34) v1(116,33) v1(116,32) v1(116,31) v1(116,30) v1(116,29) v1(116,28) v1(116,4) v1(116,3) v1(116,2) v1(116.2,66.5) v1(116.5,43.2) v1(117,97) v1(117,40.7) v1(117,39.8) v1(117,25) v1(117,22) v1(117,5) v1(117,4) v1(117,1) v1(118,26) v1(118,21) v1(118,5) v1(118.5,57.6) v1(118.5,56.5) v1(119,27) v1(119,20) v1(119,6) v1(120,92) v1(120,91) v1(120,90) v1(120,89) v1(120,88) v1(120,87) v1(120,86) v1(120,85) v1(120,84) v1(120,83) v1(120,82) v1(120,81) v1(120,80) v1(120,79) v1(120,78) v1(120,77) v1(120,76) v1(120,75) v1(120,74) v1(120,73) v1(120,72) v1(120,71) v1(120,70) v1(120,69) v1(120,62) v1(120,61) v1(120,60) v1(120,59) v1(120,58) v1(120,57) v1(120,56) v1(120,55) v1(120,54) v1(120,53) v1(120,52) v1(120,51) v1(120,50) v1(120,49) v1(120,48) v1(120,47) v1(120,46) v1(120,45) v1(120,44) v1(120,43) v1(120,42) v1(120,41) v1(120,40) v1(120,39) v1(120,38) v1(120,37) v1(120,36) v1(120,35) v1(120,34) v1(120,33) v1(120,32) v1(120,31) v1(120,30) v1(120,29) v1(120,28) v1(120,27) v1(120,20) v1(120,19) v1(120,18) v1(120,17) v1(120,16) v1(120,15) v1(120,14) v1(120,13) v1(120,12) v1(120,11) v1(120,10) v1(120,9) v1(120,8) v1(120,7) v1(120,6) v1(121,93) v1(121,92) v1(121,91) v1(121,90) v1(121,89) v1(121,88) v1(121,87) v1(121,86) v1(121,85) v1(121,84) v1(121,83) v1(121,82) v1(121,81) v1(121,80) v1(121,79) v1(121,78) v1(121,77) v1(121,76) v1(121,75) v1(121,74) v1(121,73) v1(121,72) v1(121,71) v1(121,70) v1(121,69) v1(121,68) v1(121,63) v1(121,62) v1(121,61) v1(121,60) v1(121,59) v1(121,58) v1(121,57) v1(121,56) v1(121,55) v1(121,54) v1(121,53) v1(121,52) v1(121,51) v1(121,50) v1(121,49) v1(121,48) v1(121,47) v1(121,46) v1(121,45) v1(121,44) v1(121,43) v1(121,42) v1(121,41) v1(121,40) v1(121,39) v1(121,38) v1(121,37) v1(121,36) v1(121,35) v1(121,34) v1(121,33) v1(121,32) v1(121,31) v1(121,30) v1(121,29) v1(121,28) v1(121,27) v1(121,20) v1(121,19) v1(121,18) v1(121,17) v1(121,16) v1(121,15) v1(121,14) v1(121,13) v1(121,12) v1(121,11) v1(121,10) v1(121,9) v1(121,8) v1(121,7) v1(121,6) v2(2.5,95.5) v2(2.5,59.5) v2(2.5,30.5) v2(2.5,2.5) v2(24,30.5) v2(26.5,50) v2(32.5,15.5) v2(44,2.5) v2(50,12) v2(55.5,32.5) v2(61.5,44.5) v2(70.5,34.5) v2(70.5,12) v2(78,2.5) v2(95.5,14.5) v2(97.5,64.5) v2(107.5,37.5) v2(119.5,95.5) v2(119.5,65.5) v2(119.5,23.5) v2(119.5,2.5)
